# Altium PCB LimeSDR-Micro_M.2_1v0.PcbDoc (part 3 of 7) (continued)
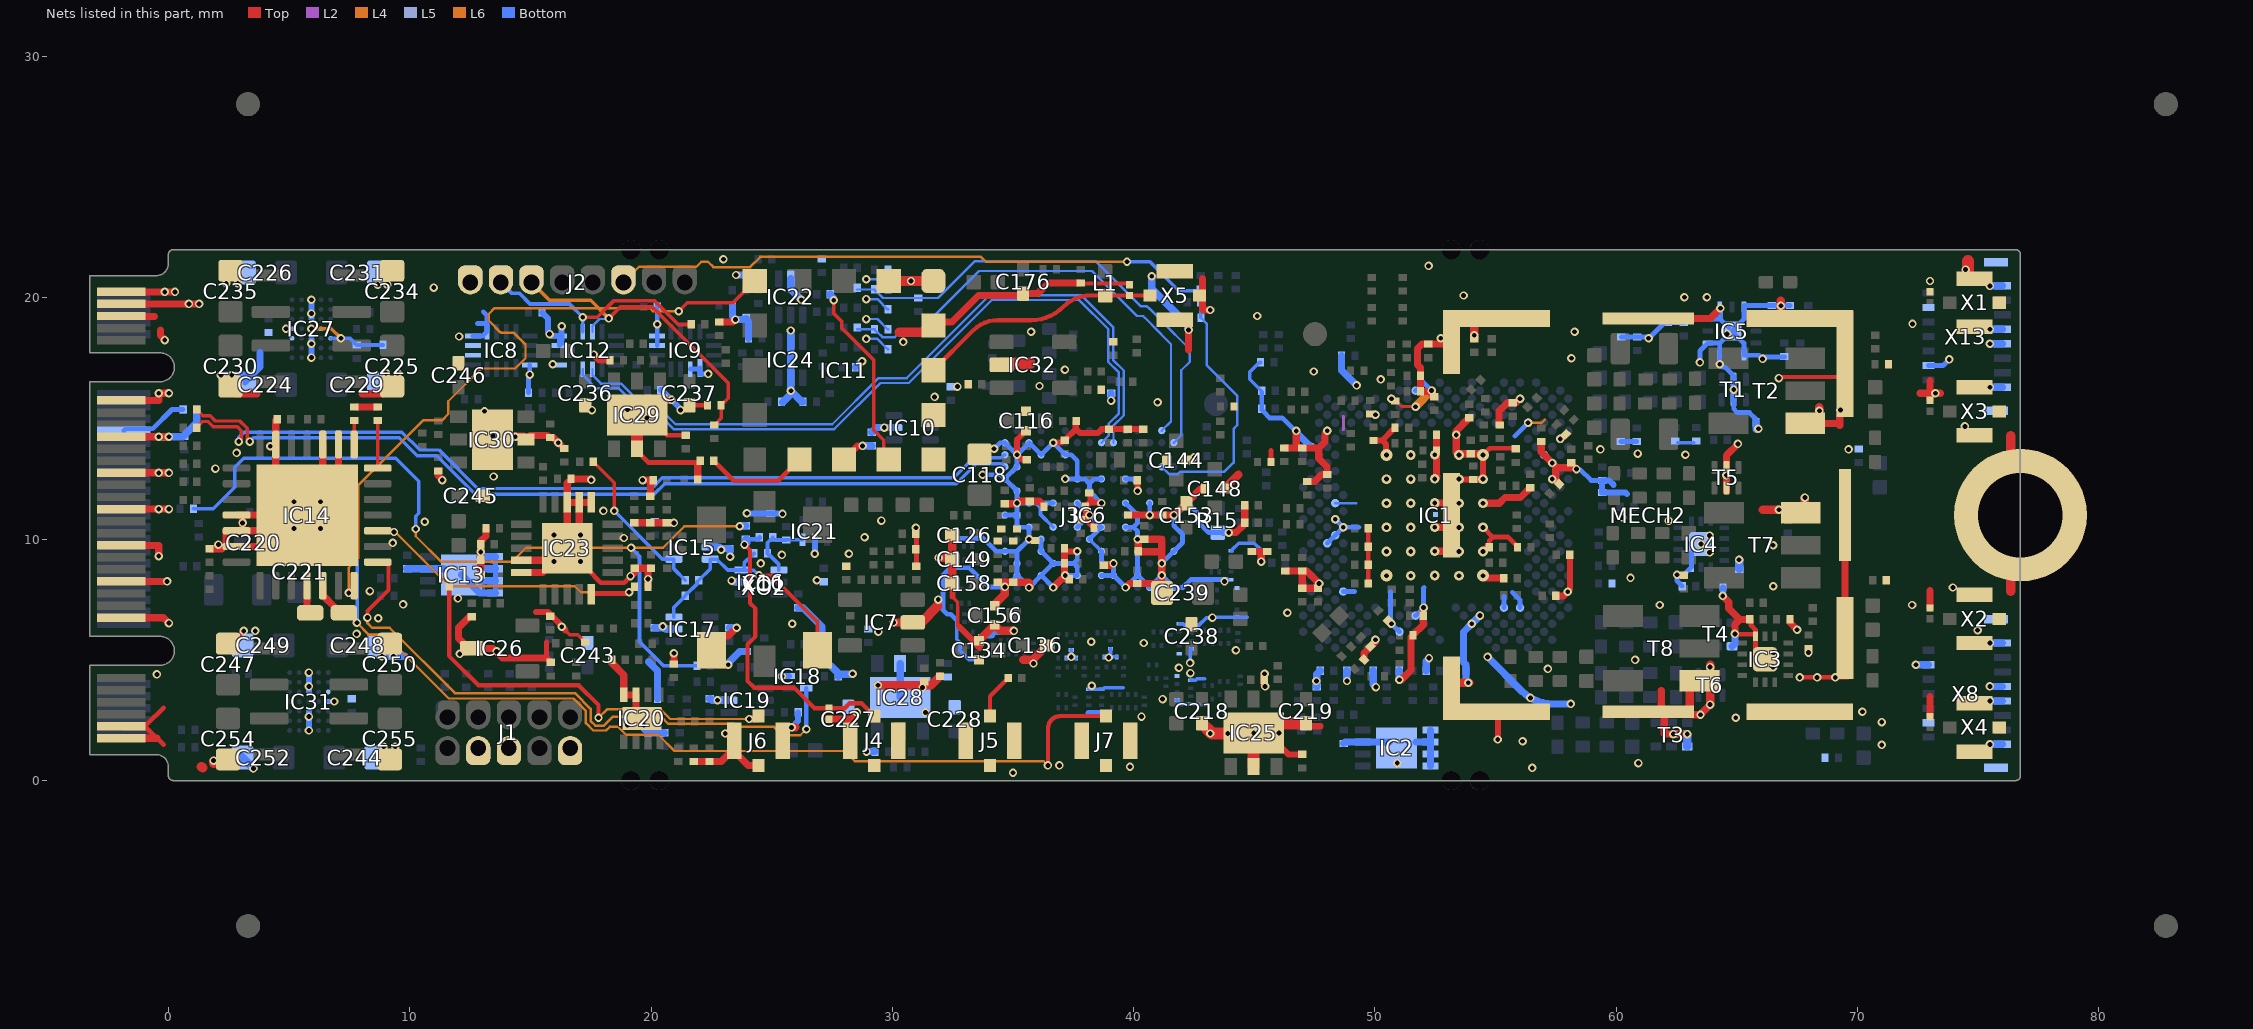
[diagram p9: the nets of this part, all layers, seen from the top]
## Part data (continued)
  R140 R159: Assembly Info=NF
R174 R211: library part Res_0402, Case/Package=0201, Case Code (Metric)=0603, Manufacturer=Yageo, Manufacturer Part Number 1=RC0201FR-0712K7L, Max Operating Temperature=125°C, Max Power Dissipation=50mW, Min Operating Temperature=-55°C, Package Quantity=1, Resistance=12.7kR, Resistor Type="Thick Film", Supplier Part Number 1=311-12.7KMCT-ND, Temperature Coefficient=200ppm/°C, Tolerance=1%, Case Code (Imperial)=0201, ComponentLink1Description=https://datasheet.ciiva.com/5924/1563626-5924912.pdf?src-supplier=Farnell, ComponentLink1URL=https://datasheet.ciiva.com/5924/1563626-5924912.pdf?src-supplier=Farnell, ComponentLink2Description=https://datasheet.ciiva.com/22661/1563626-22661319.pdf?src-supplier=Element14, ComponentLink2URL=https://datasheet.ciiva.com/22661/1563626-22661319.pdf?src-supplier=Element14, ComponentLink3Description=https://datasheet.ciiva.com/7660/1421516-7660807.pdf?src-supplier=Element14, ComponentLink3URL=https://datasheet.ciiva.com/7660/1421516-7660807.pdf?src-supplier=Element14, ComponentLink4Description=https://datasheet.ciiva.com/46391/1421516-46391339.pdf?src-supplier=Element14, ComponentLink4URL=https://datasheet.ciiva.com/46391/1421516-46391339.pdf?src-supplier=Element14, ComponentLink5Description=https://datasheet.ciiva.com/2467/pyu-r-int-thick-7-2467110.pdf?src-supplier=Digi-Key, ComponentLink5URL=https://datasheet.ciiva.com/2467/pyu-r-int-thick-7-2467110.pdf?src-supplier=Digi-Key, ComponentLink6Description=https://datasheet.ciiva.com/2467/pyu-r-int-thick-7-2467111.pdf?src-supplier=Digi-Key, ComponentLink6URL=https://datasheet.ciiva.com/2467/pyu-r-int-thick-7-2467111.pdf?src-supplier=Digi-Key, ComponentLink7Description=https://datasheet.ciiva.com/2467/pyu-r-int-thick-7-2467109.pdf?src-supplier=Digi-Key, ComponentLink7URL=https://datasheet.ciiva.com/2467/pyu-r-int-thick-7-2467109.pdf?src-supplier=Digi-Key, ComponentLink8Description=https://datasheet.ciiva.com/2493/pyu-r-int-thick-7-2493806.pdf?src-supplier=Digi-Key, ComponentLink8URL=https://datasheet.ciiva.com/2493/pyu-r-int-thick-7-2493806.pdf?src-supplier=Digi-Key, ComponentLink9Description=https://datasheet.ciiva.com/2493/pyu-r-int-thick-7-2493807.pdf?src-supplier=Digi-Key, ComponentLink9URL=https://datasheet.ciiva.com/2493/pyu-r-int-thick-7-2493807.pdf?src-supplier=Digi-Key, ComponentLink10Description=https://datasheet.ciiva.com/2493/pyu-r-int-thick-7-2493805.pdf?src-supplier=Digi-Key, ComponentLink10URL=https://datasheet.ciiva.com/2493/pyu-r-int-thick-7-2493805.pdf?src-supplier=Digi-Key, Features="Moisture Resistant", Height=0.01inch, Length=0.024inch, Number of Terminations=2, Packaging="Tape and Reel", Part Description="12.7 kOhms ±1% 0.05W, 1/20W Chip Resistor 0201 (0603 Metric) Moisture Resistant Thick Film", Pricing 1="1=0,10000, 10=0,03700, 100=0,01500, 1000=0,00672, 2500=0,00583, 5000=0,00482 (USD)", RoHS=Yes, RoHS Compliant=Yes, Series=RC, Stock 1=49027, Supplier 1=Digi-Key, Width=0.012inch
R184: library part Res_0402, Manufacturer=Yageo, Manufacturer Part Number 1=RC0201FR-07470RL, Supplier Part Number 1=YAG2689CT-ND, Voltage Rating (DC)=25V, ComponentLink1Description=https://datasheet.ciiva.com/8944/crcw0201e3-8944937.pdf?src-supplier=Avnet, ComponentLink1URL=https://datasheet.ciiva.com/8944/crcw0201e3-8944937.pdf?src-supplier=Avnet, ComponentLink2Description=https://datasheet.ciiva.com/2473/crcw0201e3-2473436.pdf?src-supplier=Digi-Key, ComponentLink2URL=https://datasheet.ciiva.com/2473/crcw0201e3-2473436.pdf?src-supplier=Digi-Key, ComponentLink3Description=https://datasheet.ciiva.com/2473/crcw0201e3-2473437.pdf?src-supplier=Digi-Key, ComponentLink3URL=https://datasheet.ciiva.com/2473/crcw0201e3-2473437.pdf?src-supplier=Digi-Key, ComponentLink4Description=https://datasheet.ciiva.com/2473/crcw0201e3-2473438.pdf?src-supplier=Digi-Key, ComponentLink4URL=https://datasheet.ciiva.com/2473/crcw0201e3-2473438.pdf?src-supplier=Digi-Key, ComponentLink5Description=https://datasheet.ciiva.com/16394/dcrcwe3-16394575.pdf?src-supplier=Future+Electronics, ComponentLink5URL=https://datasheet.ciiva.com/16394/dcrcwe3-16394575.pdf?src-supplier=Future+Electronics, ComponentLink6Description=https://datasheet.ciiva.com/7672/1563626-7672231.pdf?src-supplier=Element14, ComponentLink6URL=https://datasheet.ciiva.com/7672/1563626-7672231.pdf?src-supplier=Element14, ComponentLink7Description=https://datasheet.ciiva.com/22698/1563626-22698527.pdf?src-supplier=Element14, ComponentLink7URL=https://datasheet.ciiva.com/22698/1563626-22698527.pdf?src-supplier=Element14, Part Description="470 Ohms ±1% 0.05W, 1/20W Chip Resistor 0201 (0603 Metric) Moisture Resistant Thick Film", Pricing 1="1=0,1, 10=0,027, 50=0,0172, 100=0,0143, 500=0,00988, 1000=0,00854, 5000=0,00629 (USD)", RoHS=Yes, Stock 1=296760, Supplier 1=Digi-Key
R199: library part Res_0402, Case/Package=0201, Case Code (Metric)=0603, Manufacturer=Yageo, Manufacturer Part Number 1=RC0201FR-075K6L, Max Operating Temperature=125°C, Max Power Dissipation=50mW, Min Operating Temperature=-55°C, Package Quantity=10000, Resistance=5.6kR, Resistance Tolerance=1%, Resistor Type="Thick Film", Supplier Part Number 1=YAG2346CT-ND, Temperature Coefficient=200ppm/°C, Voltage Rating=25V, Case Code (Imperial)=0201, ComponentLink1Description=https://datasheet.ciiva.com/5924/1563626-5924912.pdf?src-supplier=Farnell, ComponentLink1URL=https://datasheet.ciiva.com/5924/1563626-5924912.pdf?src-supplier=Farnell, ComponentLink2Description=https://datasheet.ciiva.com/22661/1563626-22661319.pdf?src-supplier=Element14, ComponentLink2URL=https://datasheet.ciiva.com/22661/1563626-22661319.pdf?src-supplier=Element14, ComponentLink3Description=https://datasheet.ciiva.com/7660/1421516-7660807.pdf?src-supplier=Element14, ComponentLink3URL=https://datasheet.ciiva.com/7660/1421516-7660807.pdf?src-supplier=Element14, ComponentLink4Description=https://datasheet.ciiva.com/46391/1421516-46391339.pdf?src-supplier=Element14, ComponentLink4URL=https://datasheet.ciiva.com/46391/1421516-46391339.pdf?src-supplier=Element14, ComponentLink5Description=https://datasheet.ciiva.com/2467/pyu-r-int-thick-7-2467110.pdf?src-supplier=Digi-Key, ComponentLink5URL=https://datasheet.ciiva.com/2467/pyu-r-int-thick-7-2467110.pdf?src-supplier=Digi-Key, ComponentLink6Description=https://datasheet.ciiva.com/2467/pyu-r-int-thick-7-2467111.pdf?src-supplier=Digi-Key, ComponentLink6URL=https://datasheet.ciiva.com/2467/pyu-r-int-thick-7-2467111.pdf?src-supplier=Digi-Key, ComponentLink7Description=https://datasheet.ciiva.com/2467/pyu-r-int-thick-7-2467109.pdf?src-supplier=Digi-Key, ComponentLink7URL=https://datasheet.ciiva.com/2467/pyu-r-int-thick-7-2467109.pdf?src-supplier=Digi-Key, ComponentLink8Description=https://datasheet.ciiva.com/22661/1563626-22661325.pdf?src-supplier=Element14, ComponentLink8URL=https://datasheet.ciiva.com/22661/1563626-22661325.pdf?src-supplier=Element14, Features="Moisture Resistant", Height=0.01inch, Length=0.024inch, Number of Terminations=2, Packaging="Tape and Reel", Part Description="5.6 kOhms ±1% 0.05W, 1/20W Chip Resistor 0201 (0603 Metric) Moisture Resistant Thick Film", Power Rating=50mW, Pricing 1="1=0,10000, 10=0,03700, 100=0,01500, 1000=0,00672, 2500=0,00583, 5000=0,00482 (USD)", Reach SVHC Compliant=Yes, RoHS=Yes, RoHS Compliant=Yes, Series=RC, Stock 1=808399, Supplier 1=Digi-Key, Termination=SMD/SMT, Tolerance=1%, Width=0.3mm
R205: library part Res_0402, Case/Package=0201, Case Code (Metric)=0603, Manufacturer="Stackpole Electronics", Manufacturer Part Number 1=RMCF0201FT7K50, Max Operating Temperature=125°C, Max Power Dissipation=50mW, Min Operating Temperature=-55°C, Package Quantity=10000, Resistance=7.5kR, Resistor Type="Thick Film", Supplier Part Number 1=RMCF0201FT7K50CT-ND, Temperature Coefficient=200ppm/°C, Tolerance=1%, Case Code (Imperial)=0201, ComponentLink1Description=https://datasheet.ciiva.com/5924/1563626-5924912.pdf?src-supplier=Farnell, ComponentLink1URL=https://datasheet.ciiva.com/5924/1563626-5924912.pdf?src-supplier=Farnell, ComponentLink2Description=https://datasheet.ciiva.com/22661/1563626-22661319.pdf?src-supplier=Element14, ComponentLink2URL=https://datasheet.ciiva.com/22661/1563626-22661319.pdf?src-supplier=Element14, ComponentLink3Description=https://datasheet.ciiva.com/7660/1421516-7660807.pdf?src-supplier=Element14, ComponentLink3URL=https://datasheet.ciiva.com/7660/1421516-7660807.pdf?src-supplier=Element14, ComponentLink4Description=https://datasheet.ciiva.com/46391/1421516-46391339.pdf?src-supplier=Element14, ComponentLink4URL=https://datasheet.ciiva.com/46391/1421516-46391339.pdf?src-supplier=Element14, ComponentLink5Description=https://datasheet.ciiva.com/2467/pyu-r-int-thick-7-2467110.pdf?src-supplier=Digi-Key, ComponentLink5URL=https://datasheet.ciiva.com/2467/pyu-r-int-thick-7-2467110.pdf?src-supplier=Digi-Key, ComponentLink6Description=https://datasheet.ciiva.com/2467/pyu-r-int-thick-7-2467111.pdf?src-supplier=Digi-Key, ComponentLink6URL=https://datasheet.ciiva.com/2467/pyu-r-int-thick-7-2467111.pdf?src-supplier=Digi-Key, ComponentLink7Description=https://datasheet.ciiva.com/2467/pyu-r-int-thick-7-2467109.pdf?src-supplier=Digi-Key, ComponentLink7URL=https://datasheet.ciiva.com/2467/pyu-r-int-thick-7-2467109.pdf?src-supplier=Digi-Key, ComponentLink8Description=https://www.seielect.com/catalog/SEI-Packaging.pdf?src-supplier=Digi-Key, ComponentLink8URL=https://www.seielect.com/catalog/SEI-Packaging.pdf?src-supplier=Digi-Key, ComponentLink9Description=https://www.seielect.com/Catalog/SEI-RMCF_RMCP.pdf?src-supplier=Digi-Key, ComponentLink9URL=https://www.seielect.com/Catalog/SEI-RMCF_RMCP.pdf?src-supplier=Digi-Key, ComponentLink10Description=https://www.seielect.com/catalog/SEI-RMCF_RMCP.pdf?src-supplier=Avnet, ComponentLink10URL=https://www.seielect.com/catalog/SEI-RMCF_RMCP.pdf?src-supplier=Avnet, ComponentLink11Description=http://www.seielect.com/Catalog/SEI-RMCF_RMCP.pdf?src-supplier=Digi-Key, ComponentLink11URL=http://www.seielect.com/Catalog/SEI-RMCF_RMCP.pdf?src-supplier=Digi-Key, Contact Plating=Tin,Matte, Height=0.009inch, Length=0.024inch, Mount="Surface Mount", Number of Terminations=2, Packaging="Tape and Reel", Part Description="7.5 kOhms ±1% 0.05W, 1/20W Chip Resistor 0201 (0603 Metric) Thick Film", Pricing 1="1=0,10000, 10=0,02400, 100=0,00970, 1000=0,00437, 2500=0,00379, 5000=0,00313 (USD)", Radiation Hardening=No, RoHS=Yes, RoHS Compliant=Yes, Series=RMCF, Stock 1=145930, Supplier 1=Digi-Key, Width=0.012inch
R208: library part Res_0402, Case/Package=0201, Case Code (Metric)=0603, Manufacturer=Yageo, Manufacturer Part Number 1=RC0201FR-0747KL, Max Operating Temperature=125°C, Max Power Dissipation=50mW, Min Operating Temperature=-55°C, Package Quantity=10000, Resistance=47kR, Resistance Tolerance=1%, Resistor Type="Thick Film", Supplier Part Number 1=311-47KMCT-ND, Temperature Coefficient=200ppm/°C, Voltage Rating=25V, Case Code (Imperial)=0201, ComponentLink1Description=http://www.yageo.com/documents/recent/PYu-RC_Group_51_RoHS_L_7.pdf, ComponentLink1URL=http://www.yageo.com/documents/recent/PYu-RC_Group_51_RoHS_L_7.pdf, ComponentLink2Description=https://datasheet.ciiva.com/7672/1563626-7672232.pdf?src-supplier=Element14, ComponentLink2URL=https://datasheet.ciiva.com/7672/1563626-7672232.pdf?src-supplier=Element14, ComponentLink3Description=https://datasheet.ciiva.com/29710/pyu-r-int-thick-7-29710919.pdf?src-supplier=Digi-Key, ComponentLink3URL=https://datasheet.ciiva.com/29710/pyu-r-int-thick-7-29710919.pdf?src-supplier=Digi-Key, ComponentLink4Description=https://datasheet.ciiva.com/29710/pyu-r-int-thick-7-29710920.pdf?src-supplier=Digi-Key, ComponentLink4URL=https://datasheet.ciiva.com/29710/pyu-r-int-thick-7-29710920.pdf?src-supplier=Digi-Key, ComponentLink5Description=https://datasheet.ciiva.com/25647/pyu-r-int-thick-7-25647310.pdf?src-supplier=Digi-Key, ComponentLink5URL=https://datasheet.ciiva.com/25647/pyu-r-int-thick-7-25647310.pdf?src-supplier=Digi-Key, ComponentLink6Description=https://datasheet.ciiva.com/26829/getdatasheetpartid-422496-26829867.pdf?src-supplier=Verical, ComponentLink6URL=https://datasheet.ciiva.com/26829/getdatasheetpartid-422496-26829867.pdf?src-supplier=Verical, ComponentLink7Description=https://datasheet.ciiva.com/8889/pyu-rc0201-51-rohs-l-8-8889065.pdf?src-supplier=Avnet, ComponentLink7URL=https://datasheet.ciiva.com/8889/pyu-rc0201-51-rohs-l-8-8889065.pdf?src-supplier=Avnet, Construction=Rectangular, Contact Plating=Tin,Matte, Depth=0.3mm, Features="Moisture Resistant", Height=0.01inch, Lead Free="Lead Free", Length=0.6mm, Military Standard=Not, Number of Terminations=2, Packaging="Tape and Reel", Part Description="47 kOhms ±1% 0.05W, 1/20W Chip Resistor 0201 (0603 Metric) Moisture Resistant Thick Film", Power Rating=50mW, Pricing 1="1=0,10000, 10=0,03700, 100=0,01500, 1000=0,00672, 2500=0,00583, 5000=0,00482 (USD)", Radiation Hardening=No, RoHS=Yes, RoHS Compliant=Yes, Series=RC, Size Code=0201, Stock 1=684352, Supplier 1=Digi-Key, Termination=SMD/SMT, Tolerance=1%, Weight=6E-06oz, Width=0.3mm
R216: library part Res_0402, Case/Package=0201, Case Code (Metric)=0603, Manufacturer=Yageo, Manufacturer Part Number 1=RC0201FR-0731K6L, Max Operating Temperature=125°C, Max Power Dissipation=50mW, Min Operating Temperature=-55°C, Resistance=31.6kR, Resistor Type="Thick Film", Supplier Part Number 1=YAG2597CT-ND, Temperature Coefficient=200ppm/°C, Tolerance=1%, Assembly Info=NF, Case Code (Imperial)=0201, ComponentLink1Description=https://datasheet.ciiva.com/5924/1563626-5924912.pdf?src-supplier=Farnell, ComponentLink1URL=https://datasheet.ciiva.com/5924/1563626-5924912.pdf?src-supplier=Farnell, ComponentLink2Description=https://datasheet.ciiva.com/22661/1563626-22661319.pdf?src-supplier=Element14, ComponentLink2URL=https://datasheet.ciiva.com/22661/1563626-22661319.pdf?src-supplier=Element14, ComponentLink3Description=https://datasheet.ciiva.com/7660/1421516-7660807.pdf?src-supplier=Element14, ComponentLink3URL=https://datasheet.ciiva.com/7660/1421516-7660807.pdf?src-supplier=Element14, ComponentLink4Description=https://datasheet.ciiva.com/46391/1421516-46391339.pdf?src-supplier=Element14, ComponentLink4URL=https://datasheet.ciiva.com/46391/1421516-46391339.pdf?src-supplier=Element14, ComponentLink5Description=https://datasheet.ciiva.com/2467/pyu-r-int-thick-7-2467110.pdf?src-supplier=Digi-Key, ComponentLink5URL=https://datasheet.ciiva.com/2467/pyu-r-int-thick-7-2467110.pdf?src-supplier=Digi-Key, ComponentLink6Description=https://datasheet.ciiva.com/2467/pyu-r-int-thick-7-2467111.pdf?src-supplier=Digi-Key, ComponentLink6URL=https://datasheet.ciiva.com/2467/pyu-r-int-thick-7-2467111.pdf?src-supplier=Digi-Key, ComponentLink7Description=https://datasheet.ciiva.com/2467/pyu-r-int-thick-7-2467109.pdf?src-supplier=Digi-Key, ComponentLink7URL=https://datasheet.ciiva.com/2467/pyu-r-int-thick-7-2467109.pdf?src-supplier=Digi-Key, ComponentLink8Description=http://www.yageo.com/documents/recent/PYu-RC_Group_51_RoHS_L_10.pdf?src-supplier=Digi-Key, ComponentLink8URL=http://www.yageo.com/documents/recent/PYu-RC_Group_51_RoHS_L_10.pdf?src-supplier=Digi-Key, ComponentLink9Description=https://www.yageo.com/upload/media/product/productsearch/datasheet/rchip/PYu-RC_Group_51_RoHS_L_11.pdf?src-supplier=Digi-Key, ComponentLink9URL=https://www.yageo.com/upload/media/product/productsearch/datasheet/rchip/PYu-RC_Group_51_RoHS_L_11.pdf?src-supplier=Digi-Key, ComponentLink10Description=http://www.yageo.com/documents/recent/PYu-RC_Group_51_RoHS_L_9.pdf?src-supplier=Digi-Key, ComponentLink10URL=http://www.yageo.com/documents/recent/PYu-RC_Group_51_RoHS_L_9.pdf?src-supplier=Digi-Key, Features="Moisture Resistant", Height=0.01inch, Length=0.024inch, Number of Terminations=2, Packaging="Tape and Reel", Part Description="31.6 kOhms ±1% 0.05W, 1/20W Chip Resistor 0201 (0603 Metric) Moisture Resistant Thick Film", Pricing 1="1=0,10000, 10=0,03700, 100=0,01500, 1000=0,00672, 2500=0,00583, 5000=0,00482 (USD)", RoHS=Yes, RoHS Compliant=Yes, Stock 1=255391, Supplier 1=Digi-Key, Width=0.012inch
T1 T5 T6: library part 3600BL14M050_balun, Case/Package=0603, Case Code (Metric)=1608, Frequency=3.6GHz, Manufacturer=Johanson, Manufacturer Part Number 1=3600BL14M050T, Max Frequency=3.9GHz, Max Operating Temperature=85°C, Min Frequency=3.3GHz, Min Operating Temperature=-40°C, Package Quantity=1, Resistor Type=Ceramic, Supplier Part Number 1=712-1048-1-ND, Case Code (Imperial)=0603, ComponentLink1Description=https://datasheet.ciiva.com/2788/3600bl14m050-2788852.pdf?src-supplier=Digi-Key, ComponentLink1URL=https://datasheet.ciiva.com/2788/3600bl14m050-2788852.pdf?src-supplier=Digi-Key, ComponentLink2Description=https://datasheet.ciiva.com/22694/1318325-22694755.pdf?src-supplier=Element14, ComponentLink2URL=https://datasheet.ciiva.com/22694/1318325-22694755.pdf?src-supplier=Element14, ComponentLink3Description=https://datasheet.ciiva.com/24072/balun-3600bl14m050-242434-24072532.pdf?src-supplier=Mouser, ComponentLink3URL=https://datasheet.ciiva.com/24072/balun-3600bl14m050-242434-24072532.pdf?src-supplier=Mouser, Depth=0.8mm, Impedance=50R, Insertion Loss=1.2dB, Length=1.6mm, Mount="Surface Mount", Number of Pins=6, Packaging="Tape and Reel", Part Description="Signal Conditioning 3.6GHz 1:1 BALUN", Pricing 1="1=1,19000, 10=1,16900, 25=0,78280, 50=0,69680, 100=0,63840, 250=0,57280, 500=0,56086, 1000=0,40573 (USD)", Radiation Hardening=No, Return Loss=9.5dB, RoHS=Yes, Series=3600, Stock 1=41138, Supplier 1=Digi-Key, Termination=SMD/SMT, Turns Ratio=1:1
T2 T7 T8: library part TC1-1-13M+, Manufacturer=Minicircuits, Manufacturer Part Number 1=TC1-1-13M-45+, Part Description="RF balun; 1:1 ratio; 3 dB bandwidth: 0.3 MHz to 3.5 GHz; 3.8mm x 3.8mm", Supplier 1=Minicircuits, Supplier Part Number 1=TC1-1-13M-45+
T3 T4: library part B0322J5050AHF_balun, Case/Package=0805, Case Code (Metric)=2012, Manufacturer=Anaren, Max Operating Temperature=85°C, Min Operating Temperature=-55°C, Package Quantity=1, Supplier Part Number 1=620-B0322J5050AHF, Case Code (Imperial)=0805, ComponentLink1Description=https://datasheet.ciiva.com/2788/b0322j5050ahf-datasheet-reva-2788996.pdf?src-supplier=Digi-Key, ComponentLink1URL=https://datasheet.ciiva.com/2788/b0322j5050ahf-datasheet-reva-2788996.pdf?src-supplier=Digi-Key, ComponentLink2Description=https://datasheet.ciiva.com/4548/b0322j5050ahf-datasheet-reva-18090-4548378.pdf?src-supplier=Mouser, ComponentLink2URL=https://datasheet.ciiva.com/4548/b0322j5050ahf-datasheet-reva-18090-4548378.pdf?src-supplier=Mouser, ComponentLink3Description=https://datasheet.ciiva.com/2788/b0322j5050ahf-2788997.pdf?src-supplier=Digi-Key, ComponentLink3URL=https://datasheet.ciiva.com/2788/b0322j5050ahf-2788997.pdf?src-supplier=Digi-Key, ComponentLink4Description=https://datasheet.ciiva.com/2788/b0322j5050ahf-2788998.pdf?src-supplier=Digi-Key, ComponentLink4URL=https://datasheet.ciiva.com/2788/b0322j5050ahf-2788998.pdf?src-supplier=Digi-Key, ComponentLink5Description=https://datasheet.ciiva.com/26819/getdatasheetpartid-573228-26819653.pdf?src-supplier=Verical, ComponentLink5URL=https://datasheet.ciiva.com/26819/getdatasheetpartid-573228-26819653.pdf?src-supplier=Verical, Depth=1.29mm, Impedance=50R, Insertion Loss=1.6dB, Length=2.04mm, Manufacturer Part Number 1=B0322J5050AHF, Mount="Surface Mount", Number of Pins=6, Packaging="Tape and Reel", Part Description="Signal Conditioning 300-2200MHz 50 Ohm IL=1.6dB", Pricing 1="1=1,65000, 10=1,02000, 50=1,02000, 100=0,88300, 1000=0,56100, 10000=0,52800 (USD)", RoHS=Yes, RoHS Compliant=Yes, Series=Xinger®, Stock 1=19367, Supplier 1=Mouser, Termination=SMD/SMT, Turns Ratio=1:1
TP1: "Test Point PCB mount Miniature White"
VT1 VT2: Current - Continuous Drain (Id) @ 25°C="630mA (Ta)", Drive Voltage (Max Rds On,  Min Rds On)="1.8V, 4.5V", Manufacturer="Diodes Incorporated", Manufacturer Part Number 1=DMG1012TQ-7, Operating Temperature="-55°C ~ 150°C (TJ)", Package / Case=SOT-523, Power Dissipation (Max)="280mW (Ta)", Supplier Part Number 1=DMG1012TQ-7DICT-ND, Category="Discrete Semiconductor Products", ComponentLink1Description=https://www.diodes.com/assets/Datasheets/ds31783.pdf, ComponentLink1URL=https://www.diodes.com/assets/Datasheets/ds31783.pdf, FET Feature=-, FET Type=N-Channel, Mounting Type="Surface Mount", Packaging="Cut Tape (CT)", Part Description="N-Channel 20V 630mA (Ta) 280mW (Ta) Surface Mount SOT-523", Part Status=Active, Pricing 1="1=0.47, 10=0.424, 100=0.2375, 500=0.12722, 1000=0.08651 (USD)", Rds On (Max) @ Id, Vgs="400 mOhm @ 600mA, 4.5V", RoHS="RoHS Compliant", Stock 1=3569, Supplier 1=Digi-Key, Supplier Device Package=SOT-523, Technology="MOSFET (Metal Oxide)", Vgs (Max)=±6V, Vgs(th) (Max) @ Id="1V @ 250µA"
X8 X13: library part 5025981593_FPC_connector, Manufacturer=Molex, Supplier Part Number 1=900-5025981593CT-ND, Manufacturer Part Number 1=5025981593, Part Description="15 Position FPC Connector Contacts, Top and Bottom 0.012\" (0.30mm) Surface Mount, Right Angle", Pricing 1="1=1,40000, 10=1,15900, 100=0,96600, 1000=0,77280 (USD)", RoHS=Yes, Stock 1=19758, Supplier 1=Digi-Key
XO1: library part RPT7050A, Manufacturer=Rakon, Manufacturer Part Number 1=E6245LF, Part Description="TCXO 30.72MHz, E6245LF", Supplier 1=Rakon, Supplier Part Number 1=E6245LF
XO2: library part TXCO, Manufacturer=Rakon, Manufacturer Part Number 1=E5280LF, Assembly Info=NF, Part Description="TCXO 30.72MHz, E5280LF", Supplier 1=Rakon, Supplier Part Number 1=E5280LF

## Free pads (board coordinates)
  round 0.8 hole 0.8 unplated: 0(19.163,22) 0(19.163,0) 0(20.338,22) 0(20.338,0) 0(53.162,0) 0(53.162,22) 0(54.337,0) 0(54.337,22)
  rrect50% 1x1 smd far side mask+0.05: 2(11.57,1.15) 2(11.57,2.82) 2(12.51,20.84) 2(12.84,1.15) 2(12.84,2.82) 2(13.78,20.84) 2(14.11,1.15) 2(14.11,2.82) 2(15.05,20.84) 2(15.38,1.15) 2(15.38,2.82) 2(16.32,20.84) 2(16.65,1.15) 2(16.65,2.82) 2(17.59,20.84) 2(18.86,20.84) 2(20.13,20.84) 2(21.4,20.84)
  rrect50% 1x1 smd mask+0.05: 2(11.57,1.15) 2(12.51,20.84) 2(12.84,1.15) 2(12.84,2.82) 2(13.78,20.84) 2(14.11,1.15) 2(14.11,2.82) 2(15.05,20.84) 2(15.38,1.15) 2(15.38,2.82) 2(16.32,20.84) 2(16.65,1.15) 2(16.65,2.82) 2(17.59,20.84) 2(18.86,20.84) 2(20.13,20.84) 2(21.4,20.84)
  rrect50% 0.9x1 smd mask+0.05: 2(11.62,2.82)
  rect 0.7x3.4 smd mask+0.05: 3(69.475,5.9)
  rrect50% 1.1x0.65 smd mask+0.05: 4(5.875,6.95) 4(7.275,6.95)

## Via types
v1: diameter 0.35, hole 0.2, Top to Bottom, tented both sides, 696 vias
v2: diameter 0.35, hole 0.2, L5 to Bottom, tented both sides, 73 vias
v3: diameter 0.4, hole 0.2, Top to Bottom, tented both sides, 30 vias
v4: diameter 0.5, hole 0.2, Top to Bottom, tented both sides, 8 vias

## Nets (pads, with @x,y where several pads share a name; then routed paths per layer and width w, separated by ;. In a path a pad name is that pad's centre, name@x,y a point inside that pad or via, vN(x,y) a via of type N, cw(c..) or ccw(c..) an arc to the next point about the centre after c; other vN are vias at no path point)
A1: IC14.18 pad.4@5.875,6.95 | length 1
  Top w0.3: IC14.18@5.75,8.075 5.75,7.1 pad.4@5.8,7.05
A2: IC14.19 pad.4@7.275,6.95 | length 1.1
  Top w0.3: IC14.19@6.4,8.075 6.4,7.675 pad.4@6.925,7.15
ADF_MUXOUT: IC14.24 IC23.15 R190.1 | length 13.7
  Top w0.15: IC14.24@8.675,10.3 v1(9.35,10.3)
  Top w0.2: IC23.15@17.525,7.725 IC23.15@17.525,7.75 ; IC23.15@17.575,8.025 17.525,7.975 IC23.15@17.525,7.75 ; R190.1@19.32,8.025 v1(19.095,7.8) 19.045,7.75 IC23.15@17.525,7.75
  L6 w0.1: v1(9.35,10.3) 9.4,10.3 11.65,8.05 16.85,8.05 17.1,7.8 v1(19.095,7.8)
ADF_REF_IN: C210.2 J6.1 | length 17.4
  Top w0.18: C210.2@11.64,8.095 11.635,8.09 11.635,5.165 12.85,3.95 17,3.95 17.825,3.125 v1(17.825,2.6) ; J6.1@24.425,2.65 J6.1@24.45,2.675
  Top w0.3: v1(24.075,2.55) J6.1@24.425,2.55
  L6 w0.1: v1(17.825,2.6) 18.175,2.95 20.4,2.95 20.8,2.55 v1(24.075,2.55)
ADF_RF_IN: C202.1 IC15.4 R152.2 | length 6.8
  Top w0.15: C202.1@17.605,13.205 17.605,13.18 17.68,13.105 17.705,13.105 18.475,12.335 v1(18.475,11.175)
  Bottom w0.15: v1(18.475,11.175) 20.475,9.175 IC15.4@20.95,9.175 20.95,8.77 R152.2@21.42,8.3
BOM_VER0: IC14.28 R142.1 | length 2
  Top w0.15: IC14.28@8.675,12.95 R142.1@8.675,14.92
BOM_VER1: IC14.1 R146.1 | length 1
  Top w0.15: IC14.1@7.7,13.925 R146.1@7.7,14.92
C1_N: C113.2 IC6.N1 | length 36.2
  Top w0.14: C113.2@1.175,14.625 1.43,14.88 1.631,14.88 1.851,14.66 2.865,14.66 3.025,14.5 3.025,14.15 v1(2.92,14.045)
  Bottom w0.14: v1(2.92,14.045) 2.92,14.22 3.14,14.44 3.426,14.44 9.674,14.44 10.414,13.7 11.214,13.7 12.814,12.1 20.025,12.1 20.47,12.545 32.555,12.545 33.381,13.37 34.505,13.37 34.635,13.5 IC6.N1@34.667,13.5
C1_P: C112.2 IC6.M1 | length 35.9
  Top w0.14: C112.2@1.175,15.375 1.43,15.12 1.73,15.12 1.95,14.9 2.964,14.9 3.265,14.599 3.265,14.15 v1(3.37,14.045)
  Bottom w0.14: v1(3.37,14.045) 3.525,14.2 9.575,14.2 10.315,13.46 11.115,13.46 12.715,11.86 20.124,11.86 20.569,12.305 32.655,12.305 33.48,13.13 34.505,13.13 34.635,13 IC6.M1@34.667,13
CLK: ESD6.1 J4.1 R166.1 R171.1 | length 12.8
  Top w0.18: v1(23.875,9.775) 24.1,9.55 24.1,7.35 24.325,7.125 24.325,5.975 24,5.65 24,4.125 24.275,3.85 25.925,3.85 26.775,3 ESD6.1@27.375,3 28.025,3 28.225,3.2 28.725,3.2 29.065,2.86 29.09,2.86 29.25,2.7 J4.1@29.25,2.675
  Bottom w0.2: R166.1@23.95,10 24.44,10 24.49,10.05 R171.1@24.49,10.075
  Bottom w0.35: v1(23.875,9.775) 23.95,9.85 R166.1@23.95,9.975
CLK_IN: C192.1 R162.2 R166.2 | length 35
  L6 w0.1: v2(10.25,10.425) 10.25,10.125 11.3,9.075 14.25,9.075 14.825,9.65 v2(19.175,9.65) 20.5,9.65 21.385,10.535 v1(23.675,10.535)
  Bottom w0.15: R162.2@1.039,11.264 1.861,11.264 2.75,12.154 2.75,12.979 3.121,13.35 9.424,13.35 10.375,12.398 10.375,11.075 10.25,10.95 v2(10.25,10.425) ; v2(19.175,9.65) 19.525,9.3 19.525,5.75 20.525,4.75 C192.1@21.903,4.75
  Bottom w0.3: v1(23.675,10.535) 23.689,10.535 23.714,10.56 R166.2@23.925,10.56
CLK_OUT: IC16.4 IC21.3 R155.2 R168.1 R171.2 | length 2.9
  Bottom w0.15: R171.2@25.05,10.075 R171.2@25.05,10.05 ; IC16.4@25.3,8.725 25.3,8.955 24.93,9.325 24.905,9.325 24.83,9.4 R155.2@24.83,9.425 24.83,9.855 24.95,9.975 24.975,9.975 R171.2@25.05,10.05 ; R168.1@25.6,9.97 25.155,9.97 25.15,9.975 25.125,9.975 R171.2@25.05,10.05 ; R168.1@25.6,9.975 IC21.3@26.287,9.975
CLK_REQUEST#: J3.P52 R139.1 | length 2.8
  Bottom w0.2: J3.P52@-1.85,14.5 -1.775,14.575 -0.65,14.575 0.15,15.375 R139.1@0.62,15.375
CLK_XO: IC15.3 IC16.3 IC17.3 R152.1 R155.1 R157.1 XO1.4 XO2.3 | length 10.7
  Top w0.18: v1(24.475,8.5) 24.975,8.5 26.9,6.575 XO1.4@26.9,5.4
  Bottom w0.15: IC17.3@20.95,6.775 20.95,7.18 R157.1@21.42,7.65 21.42,7.675 21.495,7.75 21.508,7.75 21.905,8.147 21.905,8.225 R152.1@21.98,8.3 22.45,8.77 IC15.3@22.45,9.175 22.725,9.175 23.175,8.725 IC16.3@23.8,8.725 ; R155.1@24.27,9.425 24.27,9.4 24.195,9.325 24.17,9.325 23.857,9.012 23.857,8.782 IC16.3@23.8,8.725 ; v1@24.5,8.475 v1(24.475,8.5) 24.257,8.718 23.807,8.718 IC16.3@23.8,8.725
EN_REG: IC27.C5 IC27.D3 IC27.D4 R208.2 R212.2 | length 4.1
  L6 w0.15: v2(5.925,18.725) 6.75,18.725 v2(7.15,18.325)
  Bottom w0.1: IC27.D4@6.325,18.725 IC27.D4@6.36,18.725
  Bottom w0.15: v2(5.925,18.725) IC27.D4@6.325,18.725 ; IC27.C5@6.725,18.325 v2(7.15,18.325) 7.525,18.325 R208.2@7.8,18.05 R212.2@8.895,18.05
EXT_CLK_CTRL: IC14.22 IC18.6 | length 25.9
  Top w0.18: v1(8.25,6.75) 8.25,7.025 9.125,7.9 9.125,9.05 IC14.22@8.675,9.05
  L6 w0.1: v1(8.25,6.75) 8.25,6.525 8.45,6.325 9.175,6.325 11.875,3.625 16.847,3.625 17.5,2.972 17.5,2.465 17.69,2.275 18.05,2.275 18.425,2.65 20.417,2.65 20.717,2.35 23.45,2.35 23.575,2.225 25.1,2.225 25.45,1.875 26.188,1.875 v1(26.438,2.125)
  Bottom w0.18: v1(26.438,2.125) IC18.6@26.438,3.825
EXT_PPS_IN: J5.1 R182.2 | length 1.9
  Top w0.18: J5.1@34.05,2.675 34.05,3.495 R182.2@34.805,4.25
EXT_PPS_OUT: J7.1 R196.1 | length 43.3
  Top w0.18: v1(36.45,0.625) 36.45,2.15 cw(c36.975,2.15) 36.975,2.675 J7.1@38.85,2.675
  L6 w0.1: v2(7.812,6.538) 8.3,6.05 8.967,6.05 11.617,3.4 16.789,3.4 17.3,2.889 17.3,2.383 17.608,2.075 18.14,2.075 18.29,2.225 18.64,2.225 18.965,1.9 20.3,1.9 20.975,1.225 28.025,1.225 28.45,0.8 36.275,0.8 v1(36.45,0.625)
  Bottom w0.15: R196.1@3.948,11.125 6.25,11.125 7.825,9.55 7.825,6.55 v2(7.812,6.538)
GND: C1.1 C3.2 C4.1 C6.2 C7.1 C9.2 C11.1 C14.2 C16.1 C19.2 C21.1 C24.2 C26.1 C28.2 C29.1 C30.1 C31.2 C32.2 C33.1 C34.1 C35.2 C36.2 C37.2 C38.2 C42.2 C43.2 C45.2 C46.2 C47.2 C48.2 C49.2 C50.2 C51.2 C52.2 C53.2 C54.2 C55.2 C56.2 C57.1 C58.2 C59.2 C60.2 C61.2 C62.2 C63.2 C64.2 C65.2 C66.2 C67.2 C68.2 C69.2 C70.2 C71.1 C72.2 C73.2 C74.2 C75.2 C76.2 C77.2 C78.1 C79.2 C80.1 C81.1 C82.2 C83.2 C84.2 C85.2 C86.2 C87.2 C88.2 C89.2 C90.2 C91.2 C92.2 C93.2 C94.2 C95.2 C96.2 C97.2 C98.2 C99.2 C100.2 C101.2 C102.2 C103.2 C104.2 C105.2 C106.2 C107.2 C108.2 C109.2 C110.2 C111.2 C116.2 C118.1 C119.1 C120.1 C121.1 C122.1 C123.2 C126.1 C127.2 C128.2 C129.1 C130.1 C132.1 C133.2 C134.2 C135.1 C136.1 C137.1 C138.2 C139.1 C140.1 C141.1 C142.1 C143.1 C144.2 C145.1 C146.1 C147.1 C148.2 C149.1 C150.2 C151.2 C152.1 C153.1 C154.1 C155.1 C156.2 C157.1 C158.1 C159.1 C160.1 C161.1 C162.1 C163.1 C164.2 C165.1 C166.2 C167.2 C168.2 C169.2 C170.2 C171.2 C172.1 C173.2 C174.2 C175.1 C176.1 C177.2 C178.2 C179.2 C180.2 C181.1 C182.2 C183.1 C184.2 C185.2 C186.2 C187.2 C188.1 C189.2 C190.1 C191.1 C193.2 C194.2 C195.2 C196.1 C197.1 C198.1 C199.1 C200.2 C203.1 C204.1 C205.2 C206.2 C207.1 C208.1 C211.1 C212.1 C214.1 C215.2 C216.2 C217.1 C218.1 C219.1 C220.1 C221.1 C222.2 C223.1 C224.1 C225.1 C226.1 C227.1 C228.1 C229.1 C230.1 C231.1 C232.1 C233.2 C234.1 C235.1 C236.1 C237.1 C238.1 C239.1 C240.2 C241.2 C242.1 C243.1 C244.1 C245.1 C246.1 C247.1 C248.1 C249.1 C250.1 C251.1 C252.1 C253.2 C254.1 C255.1 C256.2 C257.2 ESD1.2 ESD2.2 ESD3.2 ESD4.2 ESD5.2 ESD6.2 IC1.AA31 IC1.AF32 IC1.AG29 IC1.AJ7 IC1.AJ9 IC1.AJ19 IC1.AK12 IC1.AK20 IC1.AL13 IC1.AL23 IC1.AM22 IC1.AN25 IC1.B18 IC1.B20 IC1.C7 IC1.C23 IC1.D20 IC1.E25 IC1.F6 IC1.G31 IC1.GND IC1.H2 IC1.J33 IC1.K4 IC1.L3 IC1.N3 IC1.T30 IC1.V30 IC1.W29 IC1.Y30 IC2.1 IC2.2 IC2.3 IC2.4 IC2.7 IC2.PAD IC3.7 IC3.EP IC4.7 IC4.EP IC5.1 IC5.3 IC5.4 IC5.6 IC5.10 IC5.12 IC5.EP IC6.B1 IC6.B3 IC6.B5 IC6.B11 IC6.B13 IC6.B15 IC6.C2 IC6.C4 IC6.C6 IC6.C7 IC6.C9 IC6.C10 IC6.C12 IC6.C14 IC6.D2 IC6.D5 IC6.D6 IC6.D10 IC6.D14 IC6.E1 IC6.E4 IC6.E7 IC6.E9 IC6.E12 IC6.E15 IC6.F3 IC6.F4 IC6.F8 IC6.F12 IC6.G2 IC6.G3 IC6.G5 IC6.G7 IC6.G9 IC6.G11 IC6.H1 IC6.H2 IC6.H8 IC6.H12 IC6.H13 IC6.H14 IC6.H15 IC6.J2 IC6.J3 IC6.J5 IC6.J7 IC6.J9 IC6.J11 IC6.J13 IC6.K2 IC6.K8 IC6.K12 IC6.L1 IC6.L6 IC6.L7 IC6.L9 IC6.L11 IC6.M2 IC6.N2 IC6.N4 IC6.N6 IC6.P1 IC6.P3 IC6.P5 IC7.2 IC8.6 IC8.7 IC8.8 IC8.9 IC8.16 IC9.1 IC9.2 IC9.7 IC9.8 IC10.2 IC11.1 IC11.2 IC11.4 IC11.5 IC11.16 IC12.5 IC12.7 IC12.8 IC13.1 IC13.2 IC13.3 IC13.4 IC13.7 IC13.PAD IC14.2 IC14.3 IC14.6 IC14.11 IC14.12 IC14.13 IC14.PAD IC15.2 IC16.2 IC17.2 IC18.2 IC19.2 IC20.3 IC20.4 IC20.PAD IC21.2 IC22.2 IC23.1 IC23.2 IC23.3 IC23.9 IC23.10 IC23.21 IC24.2 IC24.5 IC25.2 IC25.PAD IC26.3 IC27.A3 IC27.B3 IC27.C1 IC27.C3 IC27.D1 IC27.E3 IC27.F3 IC27.G3 IC28.2 IC28.PAD IC29.2 IC29.PAD IC30.2 IC30.PAD IC31.A3 IC31.B3 IC31.C1 IC31.C3 IC31.D1 IC31.E3 IC31.F3 IC31.G3 IC32.2 J1.3 J1.5 J1.9 J2.1 J3.MOUNTING-HOLE J3.P1 J3.P3 J3.P21 J3.P27 J3.P33 J3.P39 J3.P45 J3.P51 J3.P57 J3.P71 J3.P73 J3.P75 J4.2 J5.2 J6.2 J7.2 MECH2.1 pad.2@12.51,20.84 pad.2@12.84,1.15 pad.2@14.11,1.15 pad.2@16.65,1.15 pad.3 R3.1 R15.1 R17.1 R25.1 R29.2 R32.1 R35.2 R38.2 R40.1 R45.2 R47.1 R52.2 R56.1 R62.2 R63.2 R64.2 R80.1 R88.2 R91.1 R104.2 R105.2 R106.2 R107.2 R108.2 R109.2 R110.2 R111.2 R112.2 R126.2 R127.2 R128.2 R129.2 R130.2 R131.2 R132.2 R133.2 R139.2 R140.1 R142.2 R146.2 R154.2 R163.1 R167.2 R174.2 R176.2 R185.1 R188.2 R189.2 R190.2 R202.2 R203.2 R206.2 R213.2 R218.2 R223.2 T1.2 T1.5 T2.3 T3.1 T4.1 T5.2 T5.5 T6.2 T6.5 T7.1 T8.3 X1.2 X2.2 X3.2 X4.2 X5.2 X8.1 X8.4 X8.7 X8.9 X8.12 X8.15 X8.MP1 X8.MP2 X13.1 X13.4 X13.7 X13.9 X13.12 X13.15 X13.MP1 X13.MP2 XO1.2 XO2.2 | length 451
  Top w0.11: C101.2@50.841,15.73 50.866,15.73 51.102,15.494 51.68,15.494 v1(51.683,15.491)
  Top w0.15: 16.45,6.225 16.638,6.038 16.965,6.038 C215.2@17.269,5.734 ; 32.486,7.62 32.716,7.39 32.716,6.45
  Top w0.18: C167.2@37.8,20.6 ESD5.2@39.872,20.6 ; v1(66.741,16.675) 66.791,16.725 MECH2.1@69.666,16.725 ; v1@67.55,4.275 pad.3@69.6,4.275
  Top w0.2: J3.P3@-1.95,2.25 -1.875,2.325 -0.917,2.325 ; J3.P3@-1.875,2.175 -0.917,2.175 ; -0.892,2.175 -0.2,1.483 ; -0.892,2.325 -0.2,3.017 ; C247.1@2.475,5.675 2.6,5.675 v1(3.125,6.2) ; R185.1@12.897,8.678 12.912,8.693 ; 15.674,5.075 15.674,5.747 ; IC23.21@17.375,8.75 17.925,8.2 18.887,8.2 19.162,8.475 v1@19.175,8.475 ; IC29.2@19.425,13.75 19.425,13.65 19.9,13.175 C174.2@21.99,13.175 ; IC29.PAD@20.2,14.775 20.665,14.31 C242.1@21.318,14.31 ; C237.1@21.673,15.55 C169.2@22.345,15.55 ; J4.2@28.25,1.65 28.25,2.55 v1(28.525,2.825) ; IC7.2@30.845,6.55 IC7.2@31.2,6.55 ; R91.1@31,8.88 C186.2@31,10.225 ; v1@40.387,5.671 v1(40.416,5.7) ; R25.1@45.696,13.2 45.696,13.679 ; C62.2@49.723,8.165 C61.2@49.723,8.935 C64.2@49.723,9.69 C63.2@49.723,10.46 ; v3(54.48,10.49) 54.88,10.09 ; v4@54.538,13.547 54.76,13.77 55.813,13.77 C80.1@55.838,13.745 ; C78.1@54.736,9.675 54.736,9.945 54.88,10.09 ; C86.2@55.906,9.675 55.906,9.7 55.856,9.75 55.516,10.09 54.88,10.09 ; v1@64.916,6.064 IC3.7@65.766,6.064 ; C46.2@65.536,6.675 65.586,6.625 65.586,6.43 65.766,6.25 IC3.7@65.766,6.064 ; IC3.EP@65.766,5.375 IC3.7@65.766,5.977 IC3.7@65.766,6.064
  Top w0.25: C198.1@13.165,10.45 13.165,10.475 C198.1@13.19,10.5 ; 15.225,6.975 15.739,6.975 16.431,6.284 16.431,6.244 16.45,6.225 ; v4(15.975,10.175) IC23.21@16.525,9.625 ; C158.1@32.391,8.275 C158.1@32.491,8.175 ; 32.486,7.62 C158.1@32.486,8.175 ; 32.766,6.375 33.641,5.5 ; C156.2@34.241,7.25 C156.2@34.241,7.3 ; C116.2@35.541,14.5 35.166,14.125 v1(35.167,13.5) v1(35.167,13.5) 35.372,13.295 C122.1@35.566,13.295 ; v1(36.667,14) 37.011,14 37.116,14.105 C121.1@37.141,14.105 37.166,14.105 37.191,14.13 37.191,14.155 37.601,14.565 37.601,14.88 C120.1@37.621,14.9 ; C143.1@37.136,9.495 37.161,9.52 37.166,9.52 37.186,9.5 v1(37.667,9.5) ; C120.1@37.646,14.95 37.621,14.925 C120.1@37.621,14.9 ; C139.1@37.996,11.35 38.165,11.519 38.216,11.519 ; C139.1@38.021,11.325 38.021,11.173 38.087,11.107 38.042,11.062 38.042,11.006 v1@38.036,11 ; C130.1@38.166,11.92 38.191,11.92 38.216,11.895 38.216,11.519 ; v1(38.167,11) 38.036,10.869 ; C142.1@38.361,10.475 38.036,10.8 38.036,10.869 ; v1@38.694,11.5 v1(38.667,11.5) 38.648,11.519 38.216,11.519 ; v1(40.167,12) C129.1@40.167,12.376 ; C145.1@40.403,14.56 C146.1@39.753,14.56 C147.1@38.978,14.56 38.676,14.56 38.516,14.4 37.781,14.4 37.621,14.56 C120.1@37.621,14.9 ; IC25.PAD@45.875,1.625 46.415,1.085 C223.1@46.995,1.085 ; 46.675,2.25 47.745,2.25 ; C54.2@49.94,14.091 50.301,14.091 ; v4(50.48,13.49) 50.461,13.51 50.461,13.931 50.301,14.091 ; C71.1@50.836,14.625 50.836,14.6 50.811,14.575 50.786,14.575 50.301,14.091 ; MECH2.1@53.48,12.47 R35.2@54.066,12.47 ; v3(54.48,12.49) v4(54.48,13.49) ; v1(55.091,1.7) MECH2.1@55.091,2.652 ; v1(57.991,7.825) 58.091,7.925 58.091,9.305 C106.2@58.046,9.35 ; 38.036,10.869 v1@38.036,11 ; 38.036,10.869 37.947,10.78 37.841,10.78 C162.1@37.816,10.805 37.841,10.805 v1@38.036,11